# Altium PCB KAY1024_ATX.PcbDoc (part 2 of 4)
Units mm, origin at the board's own origin, x right, y up, seen from the top; angles counter-clockwise.
Board outline 170 x 215 mm, 2 copper layers (Top Layer, Bottom Layer), stack 1.57 mm thick; 239 components, 312 nets, 1637 pads, 958 vias.
Unrouted connection lines stored in the file: 1.
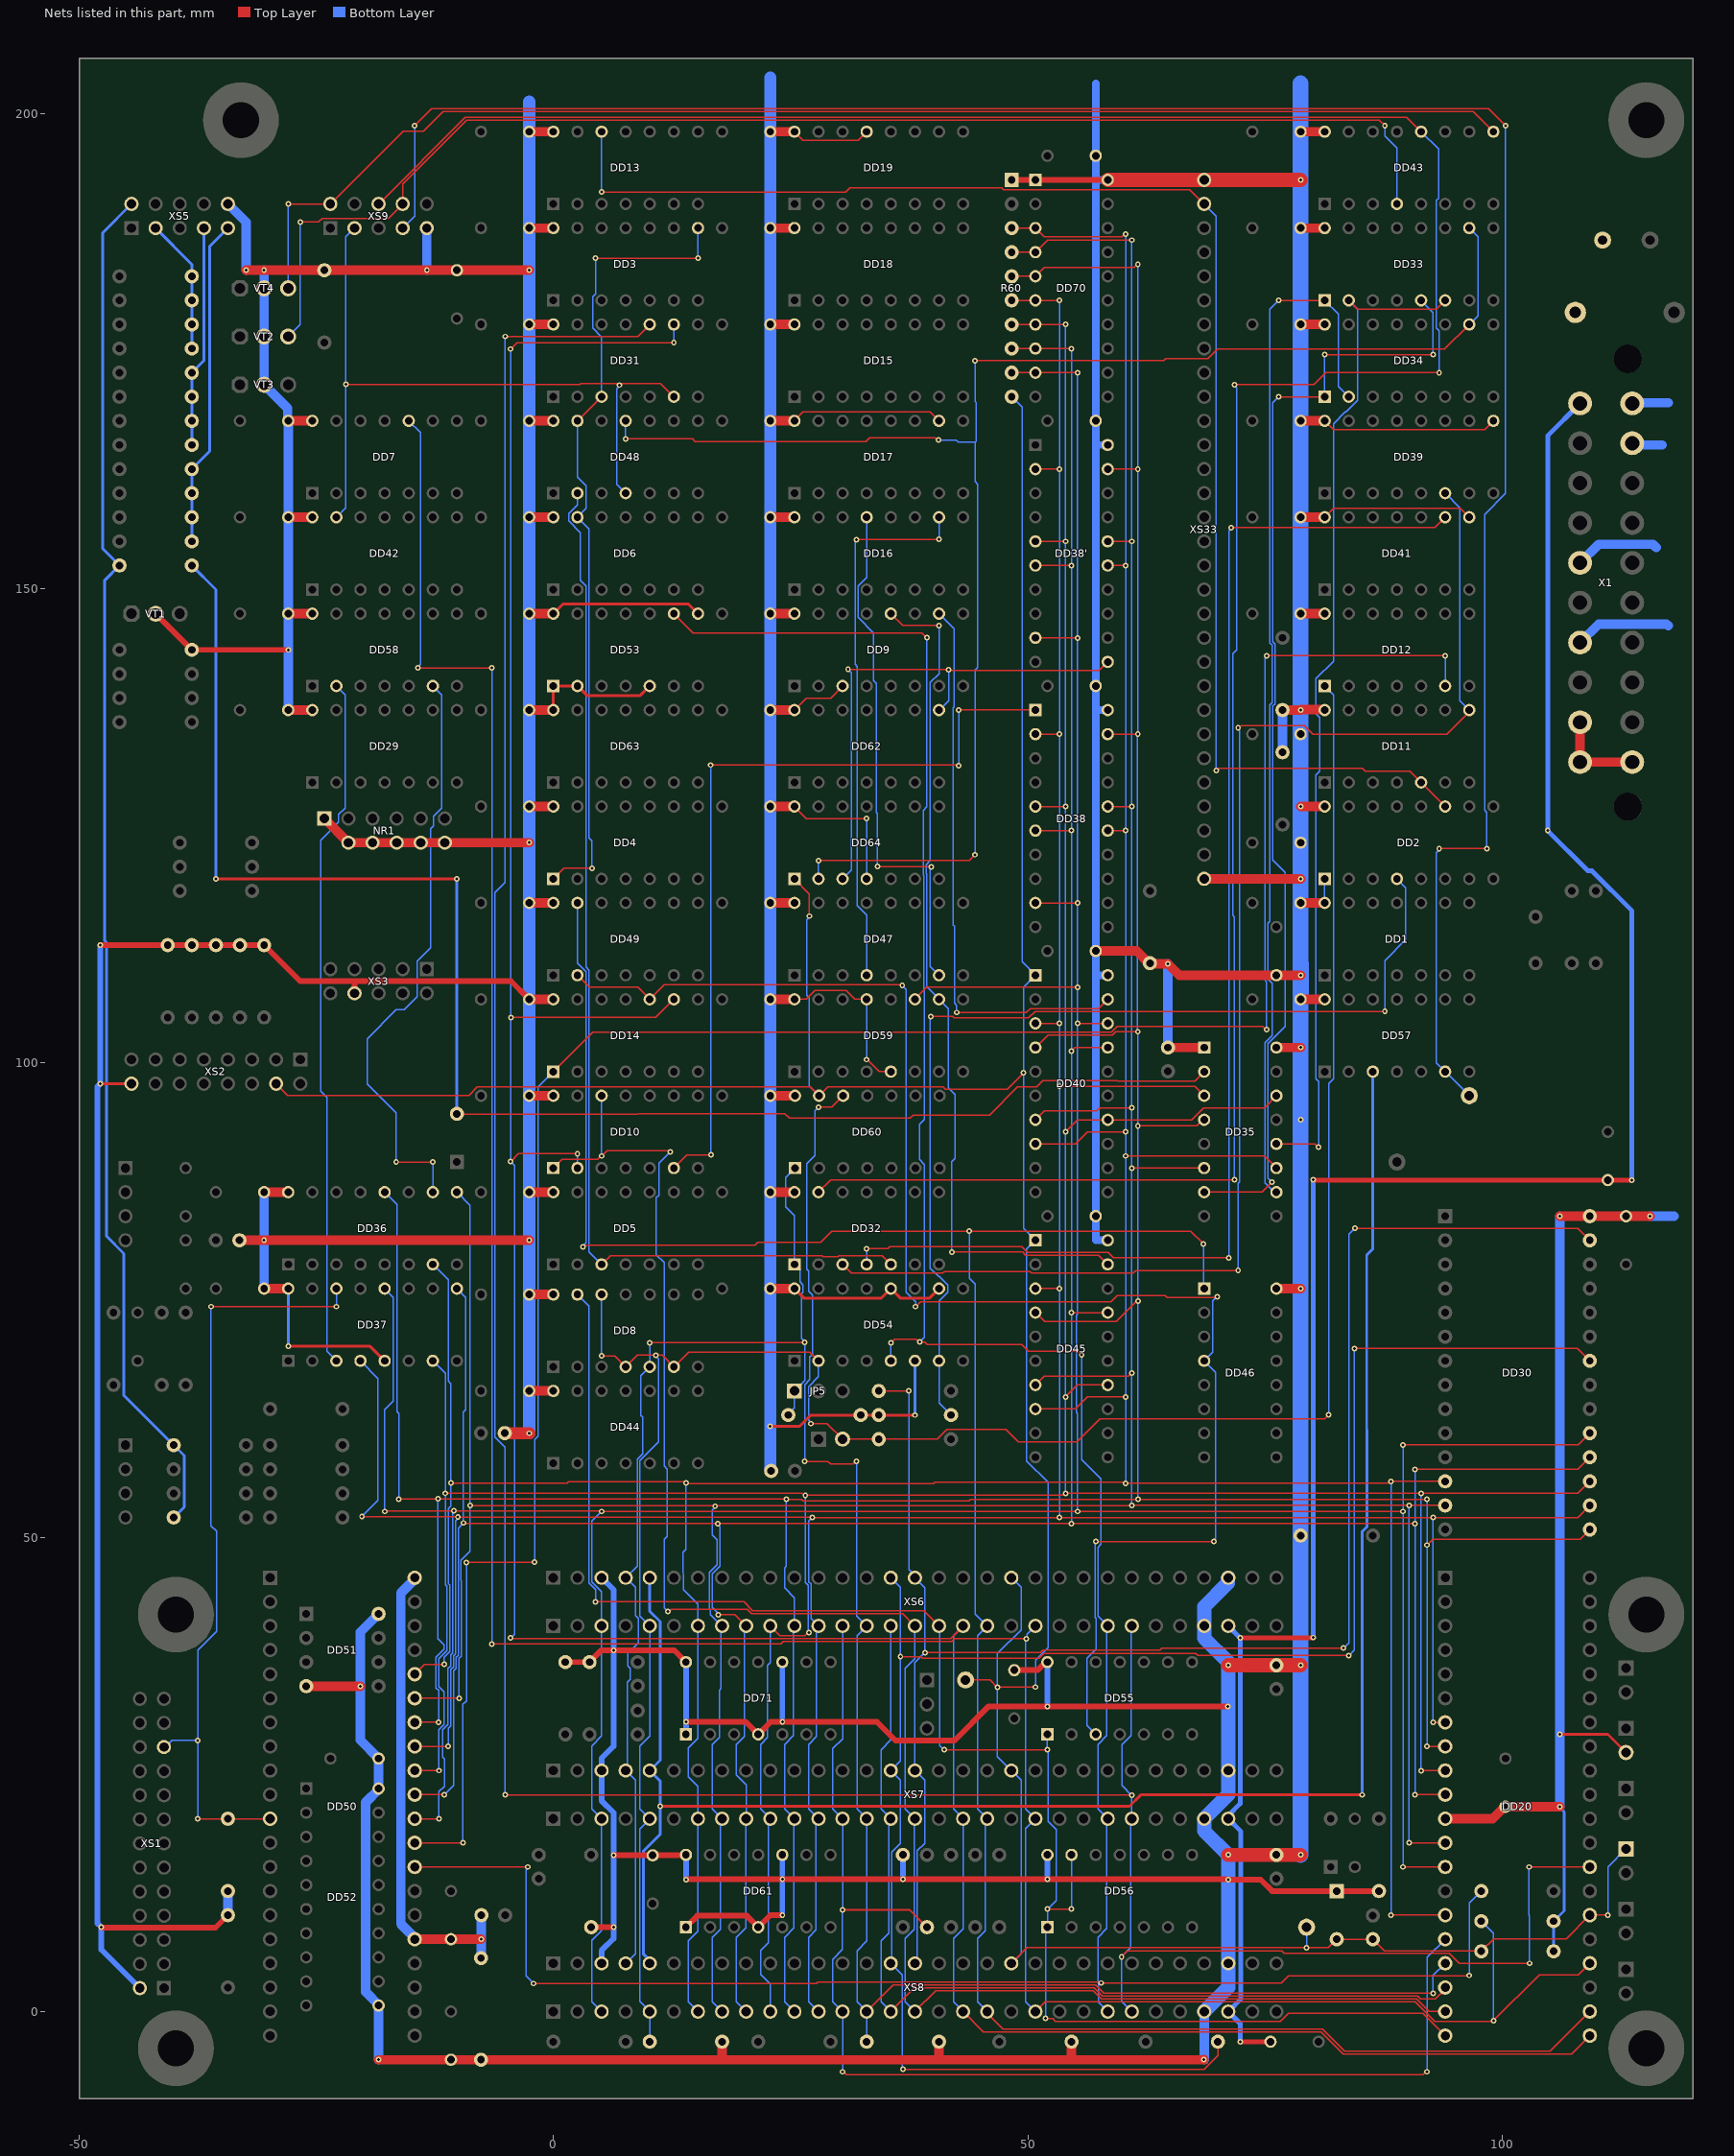
[diagram p2: the nets of this part, all layers, seen from the top]

## Via types
v1: diameter 0.6, hole 0.3, Top Layer to Bottom Layer, tented both sides, 956 vias
v2: diameter 7, hole 3.8, Top Layer to Bottom Layer, 2 vias

## Nets (pads, with @x,y where several pads share a name; then routed paths per layer and width w, separated by ;. In a path a pad name is that pad's centre, name@x,y a point inside that pad or via, vN(x,y) a via of type N, cw(c..) or ccw(c..) an arc to the next point about the centre after c; other vN are vias at no path point) (continued)
*D1: DD20.15 DD30.12 DD35.11 DD36.7 DD38'.15 DD38.15 DD40.8 DD45.8 DD50.36 DD70.3 R60.3 XS6.B7 XS7.B7 XS8.B7 | length 446.5
  Top Layer w0.15: DD50.36@-14.366,35.496 -14.366,35.799 -13.57,36.595 v1(-11.493,36.595) ; v1(-10.795,55.713) 1.48,55.713 1.587,55.82 13.741,55.82 13.762,55.799 13.889,55.799 13.97,55.88 v1@13.97,55.864 ; v1(13.97,55.713) v1@13.97,55.864 ; R60.3@48.337,187.96 DD70.3@50.8,187.96 51.725,187.035 59.913,187.035 60.203,187.325 v1(60.325,187.325) ; DD45.8@50.8,63.5 55.022,63.5 56.292,64.77 v1(60.325,64.77) ; DD40.8@50.8,91.44 55.022,91.44 56.292,92.71 v1(60.325,92.71) ; DD38.15@58.42,124.46 v1(60.325,124.46) ; DD38'.15@58.42,152.4 v1(60.325,152.4) ; v1(60.325,55.684) v1@60.325,55.88 ; v1(60.325,90.17) 74.93,90.17 DD35.11@76.2,88.9 ; v1(88.265,10.16) DD20.15@93.98,10.16 ; DD30.12@93.98,55.88 v1(88.265,55.88) 88.143,55.88 87.947,55.684 60.533,55.684 60.333,55.884 60.333,55.888 v1@60.325,55.88 ; v1@13.97,55.864 14.178,55.656 40.06,55.656 40.201,55.797 60.09,55.797 60.117,55.77 60.215,55.77 v1@60.325,55.88
  Bottom Layer w0.15: DD36.7@-12.7,78.74 -11.085,77.125 -11.085,66.469 -10.795,66.179 v1(-10.795,55.713) -10.795,53.278 -11.061,53.013 -11.061,45.089 -10.918,44.946 -10.918,37.934 -11.493,37.359 v1(-11.493,36.595) ; v1(13.97,55.713) 13.97,48.717 13.64,48.387 13.64,46.23 13.725,46.145 13.725,44.459 15.24,42.944 XS6.B7@15.24,40.64 15.24,28.791 14.215,27.766 14.215,24.738 15.24,23.713 XS7.B7@15.24,20.32 15.24,8.471 14.215,7.446 14.215,1.025 XS8.B7@15.24,0 ; v1(60.325,55.684) v1(60.325,64.77) v1(60.325,90.17) v1(60.325,92.71) v1(60.325,124.46) v1(60.325,152.4) v1(60.325,187.325) ; v1(88.265,10.16) v1(88.265,55.88)
*D2: DD20.12 DD30.13 DD35.6 DD36.9 DD38'.16 DD38.16 DD40.7 DD45.7 DD50.35 DD70.4 R60.4 XS6.B8 XS7.B8 XS8.B8 | length 437.8
  Top Layer w0.15: DD50.35@-14.366,32.956 -14.302,33.02 v1(-9.93,33.02) ; v1(-8.77,53.346) -8.728,53.304 17.008,53.304 v1(17.05,53.262) 17.088,53.301 60.921,53.301 v1(60.96,53.34) v1(90.17,53.34) DD30.13@93.98,53.34 ; R60.4@48.337,185.42 DD70.4@50.8,185.42 52.07,186.69 v1(60.96,186.69) ; DD45.7@50.8,66.04 51.725,66.965 60.563,66.965 60.908,67.31 v1(60.96,67.31) ; DD40.7@50.8,93.98 51.725,94.905 57.229,94.905 57.574,95.25 v1(60.96,95.25) ; DD38.16@58.42,127 v1(60.96,127) ; DD38'.16@58.42,154.94 v1(60.96,154.94) ; v1(60.96,88.9) DD35.6@68.58,88.9 ; v1(90.17,17.78) DD20.12@93.98,17.78
  Bottom Layer w0.15: DD36.9@-10.16,86.36 -8.77,84.97 v1(-8.77,53.346) -8.77,48.501 -9.725,47.546 -9.725,45.45 -9.718,45.443 -9.718,37.437 -9.93,37.225 v1(-9.93,33.02) ; v1(17.05,53.262) 17.05,53.14 16.765,52.856 16.765,50.217 17.265,49.717 17.265,47.079 16.455,46.269 16.455,42.45 16.565,42.34 16.565,41.83 17.755,40.64 XS6.B8@17.78,40.64 17.675,40.535 17.675,34.041 17.481,33.847 17.481,28.873 16.755,28.147 16.755,21.345 XS7.B8@17.78,20.32 17.598,20.138 17.598,8.67 16.755,7.827 16.755,1.025 XS8.B8@17.78,0 ; v1(60.96,53.34) v1(60.96,67.31) v1(60.96,88.9) v1(60.96,95.25) v1(60.96,127) v1(60.96,154.94) v1(60.96,186.69) ; v1(90.17,17.78) v1(90.17,53.34)
*D3: DD20.8 DD30.15 DD35.4 DD36.12 DD38'.19 DD38.19 DD40.4 DD45.4 DD50.34 DD70.5 R60.5 XS6.B11 XS7.B11 XS8.B11 | length 451.4
  Top Layer w0.15: v1(-16.288,53.987) -16.268,54.007 -12.176,54.007 v1(-12.156,54.027) ; DD50.34@-14.605,30.48 -14.598,30.487 -12.1,30.487 v1(-12.093,30.495) ; v1@-12.16,53.975 -12.134,54.001 24.53,54.001 v1(24.556,53.975) 26.176,53.975 26.318,53.833 43.816,53.833 43.958,53.975 v1(61.603,53.975) v1(92.075,53.975) ; R60.5@48.337,182.88 DD70.5@50.8,182.88 51.725,183.805 61.198,183.805 61.543,184.15 v1(61.595,184.15) ; DD45.4@50.8,73.66 50.841,73.66 51.766,72.735 58.037,72.735 59.339,72.735 61.499,74.895 v1(61.621,74.895) ; DD40.4@50.8,101.6 52.115,102.915 58.927,102.915 59.279,103.266 v1(61.595,103.266) ; DD38.19@58.42,134.62 v1(61.595,134.62) ; DD38'.19@58.42,162.56 v1(61.595,162.56) ; v1(61.595,93.345) 67.805,93.345 68.44,93.98 DD35.4@68.58,93.98 ; v1(92.075,27.94) DD20.8@93.98,27.94 ; v1(92.075,49.165) 92.685,49.775 108.195,49.775 DD30.15@109.22,50.8
  Bottom Layer w0.15: DD36.12@-17.78,86.36 -16.465,85.045 -16.465,63.21 -16.288,63.032 v1(-16.288,53.987) ; v1(-12.156,54.027) -12.156,39.297 -11.518,38.659 -11.518,38.183 -12.368,37.333 -12.368,34.102 -12.093,33.827 v1(-12.093,30.495) ; v1(24.556,53.975) 24.556,46.944 24.375,46.763 24.375,44.654 25.4,43.629 XS6.B11@25.4,40.64 25.302,40.542 25.302,29.074 24.375,28.147 24.375,21.345 XS7.B11@25.4,20.32 25.355,20.275 25.355,8.807 24.375,7.827 24.375,1.025 XS8.B11@25.4,0 ; v1@61.54,103.266 61.54,134.565 v1(61.595,134.62) v1(61.595,162.56) v1(61.595,184.15) ; v1(61.595,103.266) v1(61.595,93.345) 61.608,93.332 61.608,74.908 v1(61.621,74.895) ; v1(61.603,53.975) 61.612,53.984 v1@61.612,74.891 ; v1(92.075,27.94) v1(92.075,49.165) v1(92.075,53.975)
*D4: DD20.7 DD30.16 DD35.3 DD37.4 DD38'.2 DD38.2 DD40.3 DD45.3 DD50.33 DD70.6 R60.6 XS6.B12 XS7.B12 XS8.B12 | length 412.2
  Top Layer w0.15: v1(-20.164,52.192) -20.102,52.13 -10.081,52.13 v1(-10.053,52.102) ; DD50.33@-14.605,27.94 v1(-11.08,27.94) ; v1@-10.037,52.086 27.289,52.086 v1(27.305,52.07) v1(53.34,52.07) v1(92.71,52.07) 107.95,52.07 DD30.16@109.22,53.34 ; R60.6@48.337,180.34 DD70.6@50.8,180.34 v1(53.34,180.34) ; DD45.3@50.8,76.2 v1(53.34,76.2) ; DD40.3@50.8,104.14 v1(53.34,104.14) ; DD38.2@50.8,134.62 v1(53.34,134.62) ; DD38'.2@50.8,162.56 v1(53.34,162.56) ; v1(53.34,97.51) 67.59,97.51 DD35.3@68.58,96.52 ; v1(92.71,30.48) DD20.7@93.98,30.48
  Bottom Layer w0.15: DD37.4@-20.32,68.58 -18.475,66.735 -18.475,53.882 v1(-20.164,52.192) ; v1(-11.08,27.94) -11.08,29.846 -10.805,30.121 -10.805,36.046 -10.53,36.321 -10.53,37.474 -10.318,37.685 -10.318,45.194 -10.325,45.201 -10.325,51.708 -10.053,51.98 v1(-10.053,52.102) ; v1(27.305,52.07) 26.915,51.68 26.915,45.295 27.15,45.06 27.15,41.43 XS6.B12@27.94,40.64 27.742,40.442 27.742,28.974 26.915,28.147 26.915,21.345 XS7.B12@27.94,20.32 27.685,20.065 27.685,8.597 26.915,7.827 26.915,1.025 XS8.B12@27.94,0 ; v1(53.34,52.07) v1(53.34,76.2) v1(53.34,97.51) v1(53.34,104.14) v1(53.34,134.62) v1(53.34,162.56) v1(53.34,180.34) ; v1(92.71,30.48) v1(92.71,52.07)
*D5: DD20.9 DD30.17 DD35.14 DD37.7 DD38'.5 DD38.5 DD40.14 DD45.14 DD50.32 DD70.7 R60.7 XS6.B10 XS7.B10 XS8.B10 | length 425.8
  Top Layer w0.15: DD50.32@-14.605,25.4 v1(-12.065,25.4) ; v1(-11.37,54.624) 26.218,54.624 26.434,54.408 v1(26.556,54.408) 53.651,54.408 53.853,54.61 v1(53.975,54.61) v1(91.44,54.61) 107.95,54.61 DD30.17@109.22,55.88 ; XS6.B10@22.86,40.64 23.885,39.615 26.492,39.615 26.796,39.92 v1(26.918,39.92) ; R60.7@48.3,177.759 48.339,177.798 50.798,177.798 DD70.7@50.8,177.8 v1(53.975,177.8) ; DD38.5@50.8,127 v1(53.975,127) ; DD38'.5@50.8,154.94 v1(53.975,154.94) ; v1(53.975,64.77) 55.245,66.04 DD45.14@58.42,66.04 ; v1(53.975,92.71) 55.245,93.98 DD40.14@58.42,93.98 67.272,93.98 68.542,95.25 74.93,95.25 DD35.14@76.2,96.52 ; v1(91.453,25.387) 91.459,25.394 93.974,25.394 DD20.9@93.98,25.4
  Bottom Layer w0.15: DD37.7@-12.7,68.58 -11.385,67.265 -11.385,54.639 v1(-11.37,54.624) -11.37,44.974 -11.218,44.822 -11.218,38.058 -12.068,37.208 -12.068,34.226 -11.518,33.676 -11.518,30.257 -12.065,29.71 v1(-12.065,25.4) ; XS8.B10@22.86,0 22.86,2.881 21.835,3.906 21.835,6.421 22.653,7.239 22.653,20.113 XS7.B10@22.86,20.32 21.835,21.345 21.835,28.147 22.56,28.872 22.56,36.492 22.86,36.792 XS6.B10@22.86,40.64 ; v1(26.556,54.408) 26.556,45.23 26.85,44.936 26.85,39.988 v1(26.918,39.92) ; v1(53.975,54.61) v1(53.975,64.77) v1(53.975,92.71) v1(53.975,127) v1(53.975,154.94) v1(53.975,177.8) ; v1(91.44,54.61) 91.446,54.604 91.446,25.394 v1(91.453,25.387)
*D6: DD20.10 DD30.18 DD37.9 DD38'.6 DD38.6 DD40.17 DD45.17 DD50.31 DD70.8 R60.8 XS6.B9 XS7.B9 XS8.B9 | length 416
  Top Layer w0.15: DD50.31@-14.605,22.86 v1(-11.49,22.86) ; v1(-9.478,51.495) -9.448,51.465 17.31,51.465 v1(17.34,51.435) v1(54.61,51.435) v1(90.805,51.435) ; v1(17.383,41.825) 19.135,41.825 XS6.B9@20.32,40.64 ; R60.8@48.337,175.26 DD70.8@50.8,175.26 v1(54.61,175.26) ; DD38.6@50.8,124.46 v1(54.61,124.46) ; DD38'.6@50.8,152.4 v1(54.61,152.4) ; v1(54.61,73.66) DD45.17@58.42,73.66 ; v1(54.61,101.23) 54.613,101.23 54.982,101.6 DD40.17@58.42,101.6 ; v1(90.805,22.86) DD20.10@93.98,22.86 ; v1(90.805,57.15) 107.95,57.15 DD30.18@109.22,58.42
  Bottom Layer w0.15: v1(-11.49,22.86) -10.505,23.845 -10.505,35.922 -10.23,36.197 -10.23,37.349 -10.018,37.561 -10.018,45.319 -10.025,45.325 -10.025,50.948 v1(-9.478,51.495) ; DD37.9@-10.16,76.2 -9.235,75.275 -9.235,63.412 -9.478,63.169 -9.478,51.513 v1@-9.469,51.504 ; v1(17.34,51.435) 17.34,51.313 17.565,51.088 17.565,46.955 16.755,46.145 16.755,42.575 17.383,41.947 v1(17.383,41.825) ; XS8.B9@20.32,0 19.295,1.025 19.295,7.827 20.275,8.807 20.275,20.275 XS7.B9@20.32,20.32 20.32,23.904 19.295,24.929 19.295,28.147 20.122,28.974 20.122,40.442 XS6.B9@20.32,40.64 ; v1(54.61,51.435) v1(54.61,73.66) v1(54.61,101.23) v1(54.61,124.46) v1(54.61,152.4) v1(54.61,175.26) ; v1(90.805,22.86) v1(90.805,51.435) v1(90.805,57.15)
*D7: DD20.13 DD30.19 DD37.12 DD38'.9 DD38.9 DD40.18 DD50.30 DD59.11 DD70.9 R60.9 XS6.B3 XS7.B3 XS8.B3 | length 448.6
  Top Layer w0.15: v1(-17.78,52.705) -17.745,52.74 -10.521,52.74 v1(-10.486,52.774) ; DD50.30@-14.605,20.32 v1(-12.065,20.32) ; v1@-10.486,52.74 5.045,52.74 v1(5.08,52.705) 16.794,52.705 16.811,52.687 35.915,52.687 35.933,52.705 v1(55.245,52.705) v1(89.535,52.705) ; DD59.11@38.1,106.68 39.37,107.95 v1(55.245,107.95) ; R60.9@48.337,172.72 DD70.9@50.8,172.72 v1(55.245,172.72) ; DD38.9@50.8,116.84 v1(55.245,116.84) ; DD38'.9@50.8,144.78 50.817,144.763 55.228,144.763 v1(55.245,144.746) ; v1(55.245,104.14) DD40.18@58.42,104.14 ; v1(89.535,15.24) DD20.13@93.98,15.24 ; v1(89.535,59.69) 89.59,59.745 108.005,59.745 DD30.19@109.22,60.96
  Bottom Layer w0.15: v1(-17.78,52.705) -17.78,63.433 -16.855,64.358 -16.855,75.275 DD37.12@-17.78,76.2 ; v1(-12.065,20.32) -12.065,23.158 -11.49,23.733 -11.49,26.632 -11.655,26.797 -11.655,29.696 -11.105,30.246 -11.105,36.17 -10.83,36.445 -10.83,37.598 -10.618,37.81 -10.618,45.07 -10.628,45.08 -10.628,52.511 -10.486,52.653 v1(-10.486,52.774) ; XS8.B3@5.08,0 4.055,1.025 4.055,7.503 5.08,8.528 XS7.B3@5.08,20.32 4.055,21.345 4.055,28.005 5.08,29.03 XS6.B3@5.08,40.64 5.08,44.27 4.055,45.295 4.055,51.68 v1(5.08,52.705) ; v1(55.245,52.705) 55.245,63.009 55.1,63.154 55.1,73.337 55.245,73.482 v1(55.245,104.14) v1(55.245,107.95) v1(55.245,116.84) v1(55.245,144.746) v1(55.245,172.72) ; v1(89.535,15.24) v1(89.535,52.705) v1(89.535,59.69)
*DOS/: DD8.5 DD32.1 DD60.1 JP5.1 R70.2 XS6.A4 XS7.A4 XS8.A4 | length 113.2
  Top Layer w0.15: v1(10.16,70.485) 10.19,70.515 26.455,70.515 v1(26.485,70.545)
  Bottom Layer w0.15: XS8.A4@7.62,5.08 8.645,6.105 8.645,24.375 XS7.A4@7.62,25.4 7.815,25.595 7.815,34.718 8.087,34.989 8.087,36.171 7.852,36.405 7.852,37.78 8.945,38.872 8.945,41.431 8.645,41.731 8.645,44.695 XS6.A4@7.62,45.72 8.835,46.935 8.835,58.192 9.41,58.767 9.41,62.651 9.235,62.826 9.235,67.02 DD8.5@10.16,67.945 v1(10.16,70.485) ; R70.2@24.765,62.865 24.765,62.974 25.4,63.609 JP5.1@25.4,65.405 26.485,66.49 v1(26.485,70.545) 26.485,70.628 26.155,70.958 26.155,75.647 26.325,75.817 26.325,76.583 25.975,76.933 25.975,78.165 DD32.1@25.4,78.74 25.4,83.901 24.475,84.826 24.475,87.911 DD60.1@25.464,88.9
*F: DD57.3 XS6.A5 XS7.A5 XS8.A5 | length 194.2
  Top Layer w0.3: v1(11.26,21.641) 60.716,21.641 61.901,22.826 v1(85.23,22.826)
  Bottom Layer w0.3: XS8.A5@10.16,5.08 10.16,5.399 9.471,6.088 9.471,16.879 11.26,18.668 v1(11.26,21.641) 11.26,24.3 XS7.A5@10.16,25.4 11.26,26.5 11.26,41.096 10.16,42.196 XS6.A5@10.16,45.72 ; v1(85.23,22.826) 85.23,50.591 85.725,51.086 85.725,61.311 85.71,61.326 85.71,79.733 86.36,80.383 DD57.3@86.36,99.06
*F': DD57.6 KP10.1 XS9.7 | length 237.6
  Top Layer w0.15: v1(-14.605,198.755) -12.815,200.545 98.54,200.545 v1(100.33,198.755) ; v1(93.345,122.555) 93.348,122.558 98.37,122.558 v1(98.373,122.56)
  Bottom Layer w0.15: XS9.7@-15.875,187.96 -14.605,189.23 v1(-14.605,198.755) ; v1(93.345,122.555) 93.345,122.433 93.055,122.143 93.055,99.985 DD57.6@93.98,99.06 KP10.1@96.52,96.52 ; v1(98.373,122.56) 98.373,126.379 98.135,126.617 98.135,157.787 100.33,159.982 v1(100.33,198.755)
*HLT/: DD20.18 XS6.B15 XS7.B15 XS8.B15 | length 102.9
  Top Layer w0.15: XS8.B15@35.56,0 38.055,2.495 56.999,2.495 57.869,1.625 91.088,1.625 91.383,1.33 92.948,1.33 93.98,2.362 DD20.18@93.98,2.54
  Bottom Layer w0.15: XS8.B15@35.56,0 34.535,1.025 34.535,7.465 35.353,8.283 35.353,20.113 XS7.B15@35.56,20.32 35.56,20.326 34.535,21.351 34.535,27.593 35.56,28.617 XS6.B15@35.56,40.64
*INT/: DD20.16 R18.2 XS6.B13 XS7.B13 XS8.B13 | length 135
  Top Layer w0.15: v1(30.48,-6.35) 30.602,-6.35 30.907,-6.655 91.648,-6.655 91.953,-6.35 v1(92.075,-6.35)
  Top Layer w0.2: v1(30.471,10.729) 37.531,10.729 R18.2@39.37,8.89
  Bottom Layer w0.15: v1(30.48,-6.35) XS8.B13@30.48,0 29.455,1.025 29.455,5.505 30.471,6.521 v1(30.471,10.729) 30.476,10.734 30.476,20.316 XS7.B13@30.48,20.32 ; XS7.B13@30.48,20.32 29.455,21.345 29.455,27.723 30.48,28.748 XS6.B13@30.48,40.64 ; v1(92.075,-6.35) 92.075,5.715 DD20.16@93.98,7.62
*IORQ/: DD8.13 DD20.20 DD55.1 DD56.1 DD56.13 XS6.B17 | length 177.2
  Top Layer w0.15: v1(4.445,43.18) 20.066,43.18 21.018,42.227 39.053,42.227 XS6.B17@40.64,40.64 ; v1(41.19,27.58) 41.207,27.596 52.046,27.596 v1(52.063,27.613) ; v1(51.88,-0.73) 52.62,-0.73 52.915,-1.025 76.625,-1.025 77.475,-0.175 91.615,-0.175 DD20.20@93.98,-2.54 ; v1(52.08,10.795) v1(54.61,10.795)
  Bottom Layer w0.15: DD8.13@2.54,75.565 3.755,74.35 3.755,45.171 4.445,44.481 v1(4.445,43.18) ; XS6.B17@40.64,40.64 40.72,40.56 40.72,28.051 v1(41.19,27.58) ; v1(51.88,-0.73) 51.88,8.7 DD56.1@52.07,8.89 52.08,8.9 v1(52.08,10.795) 52.995,11.71 52.995,19.195 52.125,20.065 52.125,27.55 v1(52.063,27.613) 52.063,29.203 DD55.1@52.07,29.21 ; v1(54.61,10.795) DD56.13@54.61,16.51
*IORQG/: DD14.10 DD46.4 DD49.2 DD55.3 | length 163.4
  Top Layer w0.15: DD49.2@2.54,109.22 3.81,107.95 8.89,107.95 DD14.10@10.16,106.68 11.685,108.205 36.703,108.205 v1(36.77,108.138) ; v1(38.168,74.294) 38.699,74.825 58.777,74.825 59.422,75.47 64.485,75.47 64.68,75.275 69.875,75.275 v1(69.95,75.35) ; v1(57.15,49.53) v1(69.605,49.53)
  Bottom Layer w0.15: v1(36.77,108.138) 37.175,107.733 37.175,75.817 38.168,74.824 v1(38.168,74.294) ; DD55.3@57.15,29.21 56.225,30.135 56.225,37.213 57.205,38.193 57.205,41.431 57.095,41.541 57.095,49.475 v1(57.15,49.53) ; v1(69.605,49.53) 69.605,49.652 69.805,49.852 69.805,67.355 DD46.4@68.58,68.58 69.505,69.505 69.505,74.905 69.942,75.342 v1@69.958,75.342
*M1/: DD50.28 DD53.9 DD54.5 R25.2 XS6.B24 XS7.B24 XS8.B24 | length 331.4
  Top Layer w0.15: DD50.28@-14.605,15.24 v1(-2.687,15.24) ; v1(-2.079,2.955) 27.709,2.955 27.849,3.095 57.515,3.095 57.603,3.007 v1(57.725,3.007) 76.721,3.007 77.457,3.743 96.453,3.743 v1(96.52,3.81) ; DD53.9@12.7,147.32 14.725,145.295 38.855,145.295 v1(39.37,144.78) ; v1(35.56,70.485) 35.604,70.485 35.953,70.834 38.222,70.834 38.571,70.485 v1@38.605,70.485 ; v1(38.605,70.573) v1@38.605,70.485 ; v1(55.675,69.215) 55.295,69.595 50.054,69.595 49.351,70.298 39.418,70.298 39.143,70.573 38.693,70.573 v1@38.605,70.485
  Bottom Layer w0.15: v1(-2.687,15.24) -2.687,15.118 -2.868,14.937 -2.868,3.743 v1(-2.079,2.955) ; DD54.5@35.56,68.58 v1(35.56,70.485) ; v1(38.605,70.573) 39.089,71.057 39.089,89.283 38.576,89.796 38.576,93.494 39.089,94.007 39.089,107.807 39.025,107.871 39.025,119.763 38.973,119.815 38.973,126.565 39.37,126.962 v1(39.37,144.78) ; v1(55.675,69.215) 55.675,58.182 57.725,56.132 57.725,49.246 57.395,48.916 57.395,41.665 XS6.B24@58.42,40.64 ; v1(57.725,3.007) 57.72,3.012 v1@57.45,3.012 ; XS8.B24@58.42,0 57.45,0.97 v1@57.45,3.012 ; XS6.B24@58.42,40.64 58.322,40.542 58.322,29.074 57.395,28.147 57.395,21.345 XS7.B24@58.42,20.32 58.313,20.213 58.313,8.745 57.395,7.827 57.395,3.067 v1@57.45,3.012 ; v1(96.52,3.81) 96.52,11.43 R25.2@97.79,12.7
*MREQ/: DD10.1 DD10.12 DD20.19 XS6.B16 XS7.B16 XS8.B16 | length 196.2
  Top Layer w0.15: DD10.1@0,88.9 0.925,89.825 4.683,89.825 5.028,90.17 v1(5.08,90.17) 5.655,90.745 12.044,90.745 12.191,90.598 v1(12.313,90.598) ; v1(12.065,42.157) 12.187,42.157 12.43,42.4 20.421,42.4 20.894,41.927 36.813,41.927 XS6.B16@38.1,40.64 ; XS8.B16@38.1,0 40.295,2.195 56.875,2.195 57.745,1.325 90.964,1.325 92.289,0 DD20.19@93.98,0
  Bottom Layer w0.15: v1(5.08,90.17) DD10.12@5.08,96.52 ; v1(12.065,42.157) 11.675,42.547 11.675,49.755 12.005,50.085 12.005,57.172 11.692,57.485 11.692,78.941 10.855,79.777 10.855,85.747 11.13,86.022 11.13,89.415 v1(12.313,90.598) ; XS8.B16@38.1,0 37.075,1.025 37.075,7.685 38.045,8.655 38.045,20.265 XS7.B16@38.1,20.32 37.075,21.345 37.075,36.178 38.1,37.203 XS6.B16@38.1,40.64
*NMI/: DD20.17 DD60.12 R32.2 XS6.B14 XS7.B14 XS8.B14 | length 175.4
  Top Layer w0.15: v1(26.492,57.981) 28.954,57.981 29.226,57.709 31.567,57.709 31.839,57.981 v1(31.961,57.981) ; v1(27.94,95.321) 29.345,95.321 DD60.12@30.544,96.52 ; XS8.B14@33.02,0 35.815,2.795 57.124,2.795 57.993,1.925 92.69,1.925 v1(92.71,1.905)
  Bottom Layer w0.15: v1(26.492,57.981) 26.492,66.072 27.015,66.596 27.015,68.963 27.305,69.253 27.305,75.527 26.925,75.907 26.925,78.023 26.715,78.233 26.715,89.343 27.572,90.2 27.572,94.947 27.94,95.316 v1(27.94,95.321) ; v1(31.961,57.981) 31.961,41.699 XS6.B14@33.02,40.64 31.995,39.615 31.995,21.345 XS7.B14@33.02,20.32 33.02,7.435 31.995,6.41 31.995,1.025 XS8.B14@33.02,0 R32.2@33.02,-3.175 ; v1(92.71,1.905) 92.71,3.81 DD20.17@93.98,5.08
*RD/: DD10.2 DD14.9 DD20.21 DD31.9 XS6.B18 XS7.B18 XS8.B18 | length 341.7
  Top Layer w0.15: v1(-4.514,175.213) -3.832,175.895 v1(12.7,175.895) ; v1(-4.505,89.57) -3.675,90.4 v1(2.54,90.4) ; v1(-4.495,39.369) -4.441,39.315 41.855,39.315 XS6.B18@43.18,40.64 ; v1(-4.445,104.775) 10.795,104.775 DD14.9@12.7,106.68 ; XS8.B18@43.18,0 45.33,-2.15 80.928,-2.15 83.255,-4.477 107.283,-4.477 DD20.21@109.22,-2.54
  Bottom Layer w0.15: v1(-4.514,175.213) -4.479,175.179 -4.479,104.809 v1(-4.445,104.775) -4.475,104.745 -4.475,89.6 v1(-4.505,89.57) -4.095,89.16 -4.095,39.769 v1(-4.495,39.369) ; DD10.2@2.54,88.9 v1(2.54,90.4) ; v1(12.7,175.895) DD31.9@12.7,177.8 ; XS8.B18@43.18,0 42.155,1.025 42.155,7.685 43.18,8.71 XS7.B18@43.18,20.32 42.155,21.345 42.155,39.615 XS6.B18@43.18,40.64
*RDR/: DD30.22 R19.2 XS6.A15 XS7.A15 XS8.A15 | length 194.9
  Top Layer w0.15: v1(36.568,37.405) 38.765,37.405 38.914,37.256 51.188,37.256 51.687,37.755 67.693,37.755 67.933,37.515 83.797,37.515 v1(83.818,37.494) ; v1(36.83,-6.08) 68.591,-6.08 70.032,-4.639 R19.2@70.032,-3.175 ; v1(84.412,69.88) 107.92,69.88 DD30.22@109.22,68.58
  Bottom Layer w0.15: XS6.A15@35.56,45.72 36.585,44.695 36.585,37.422 v1(36.568,37.405) ; v1@36.585,37.405 36.568,37.388 36.568,26.408 XS7.A15@35.56,25.4 36.585,24.375 36.585,17.715 35.653,16.782 35.653,5.173 XS8.A15@35.56,5.08 36.775,3.865 36.775,-6.025 v1(36.83,-6.08) ; v1(83.818,37.494) 84.412,38.089 v1(84.412,69.88)
*RES/: C5.1 DD20.26 DD40.1 DD45.1 DD60.13 DD64.1 JP2.1 KP7.1 KP8.1 R59.2 R60.10 VD2.1 XS2.4 XS6.A20 XS7.A20 XS8.A20 | length 372.3
  Top Layer w0.15: XS2.4@-29.21,97.79 -27.975,96.555 -8.893,96.555 -8.003,97.445 27.079,97.445 DD60.13@28.004,96.52 28.929,97.445 41.087,97.445 41.317,97.215 47.836,97.215 v1(49.544,98.923) ; DD64.1@25.4,119.38 26.98,117.8 v1(26.98,115.45) ; KP7.1@43.436,34.942 46.013,34.942 v1(46.792,34.163) 46.811,34.182 50.781,34.182 v1(50.8,34.201) ; XS8.A20@48.26,5.08 49.918,6.738 v1(79.375,6.738) 81.668,6.738 VD2.1@82.55,7.62 C5.1@86.36,7.62 87.563,6.417 97.723,6.417 R59.2@97.79,6.35 ; R59.2@97.918,6.478 99.12,7.68 106.74,7.68 DD20.26@109.22,10.16 v1(111.125,10.16)
  Bottom Layer w0.15: v1(26.98,115.45) 26.98,115.328 26.715,115.063 26.715,107.097 26.97,106.842 26.97,97.554 DD60.13@28.004,96.52 ; XS8.A20@48.26,5.08 49.285,6.105 49.285,24.375 XS7.A20@48.26,25.4 46.792,26.868 v1(46.792,34.163) 46.792,37.723 49.285,40.215 49.285,44.695 XS6.A20@48.26,45.72 ; R60.10@48.299,170.18 49.391,169.088 49.391,110.629 DD40.1@50.8,109.22 49.544,107.964 v1(49.544,98.923) 49.544,82.536 DD45.1@50.8,81.28 49.875,80.355 49.875,58.037 52.125,55.787 52.125,38.37 50.8,37.045 v1(50.8,34.201) ; v1(79.375,6.738) KP8.1@79.375,8.89 ; v1(111.125,10.16) 111.125,15.24 JP2.1@113.03,17.145